# KiCad board copy.kicad_pcb (continued)
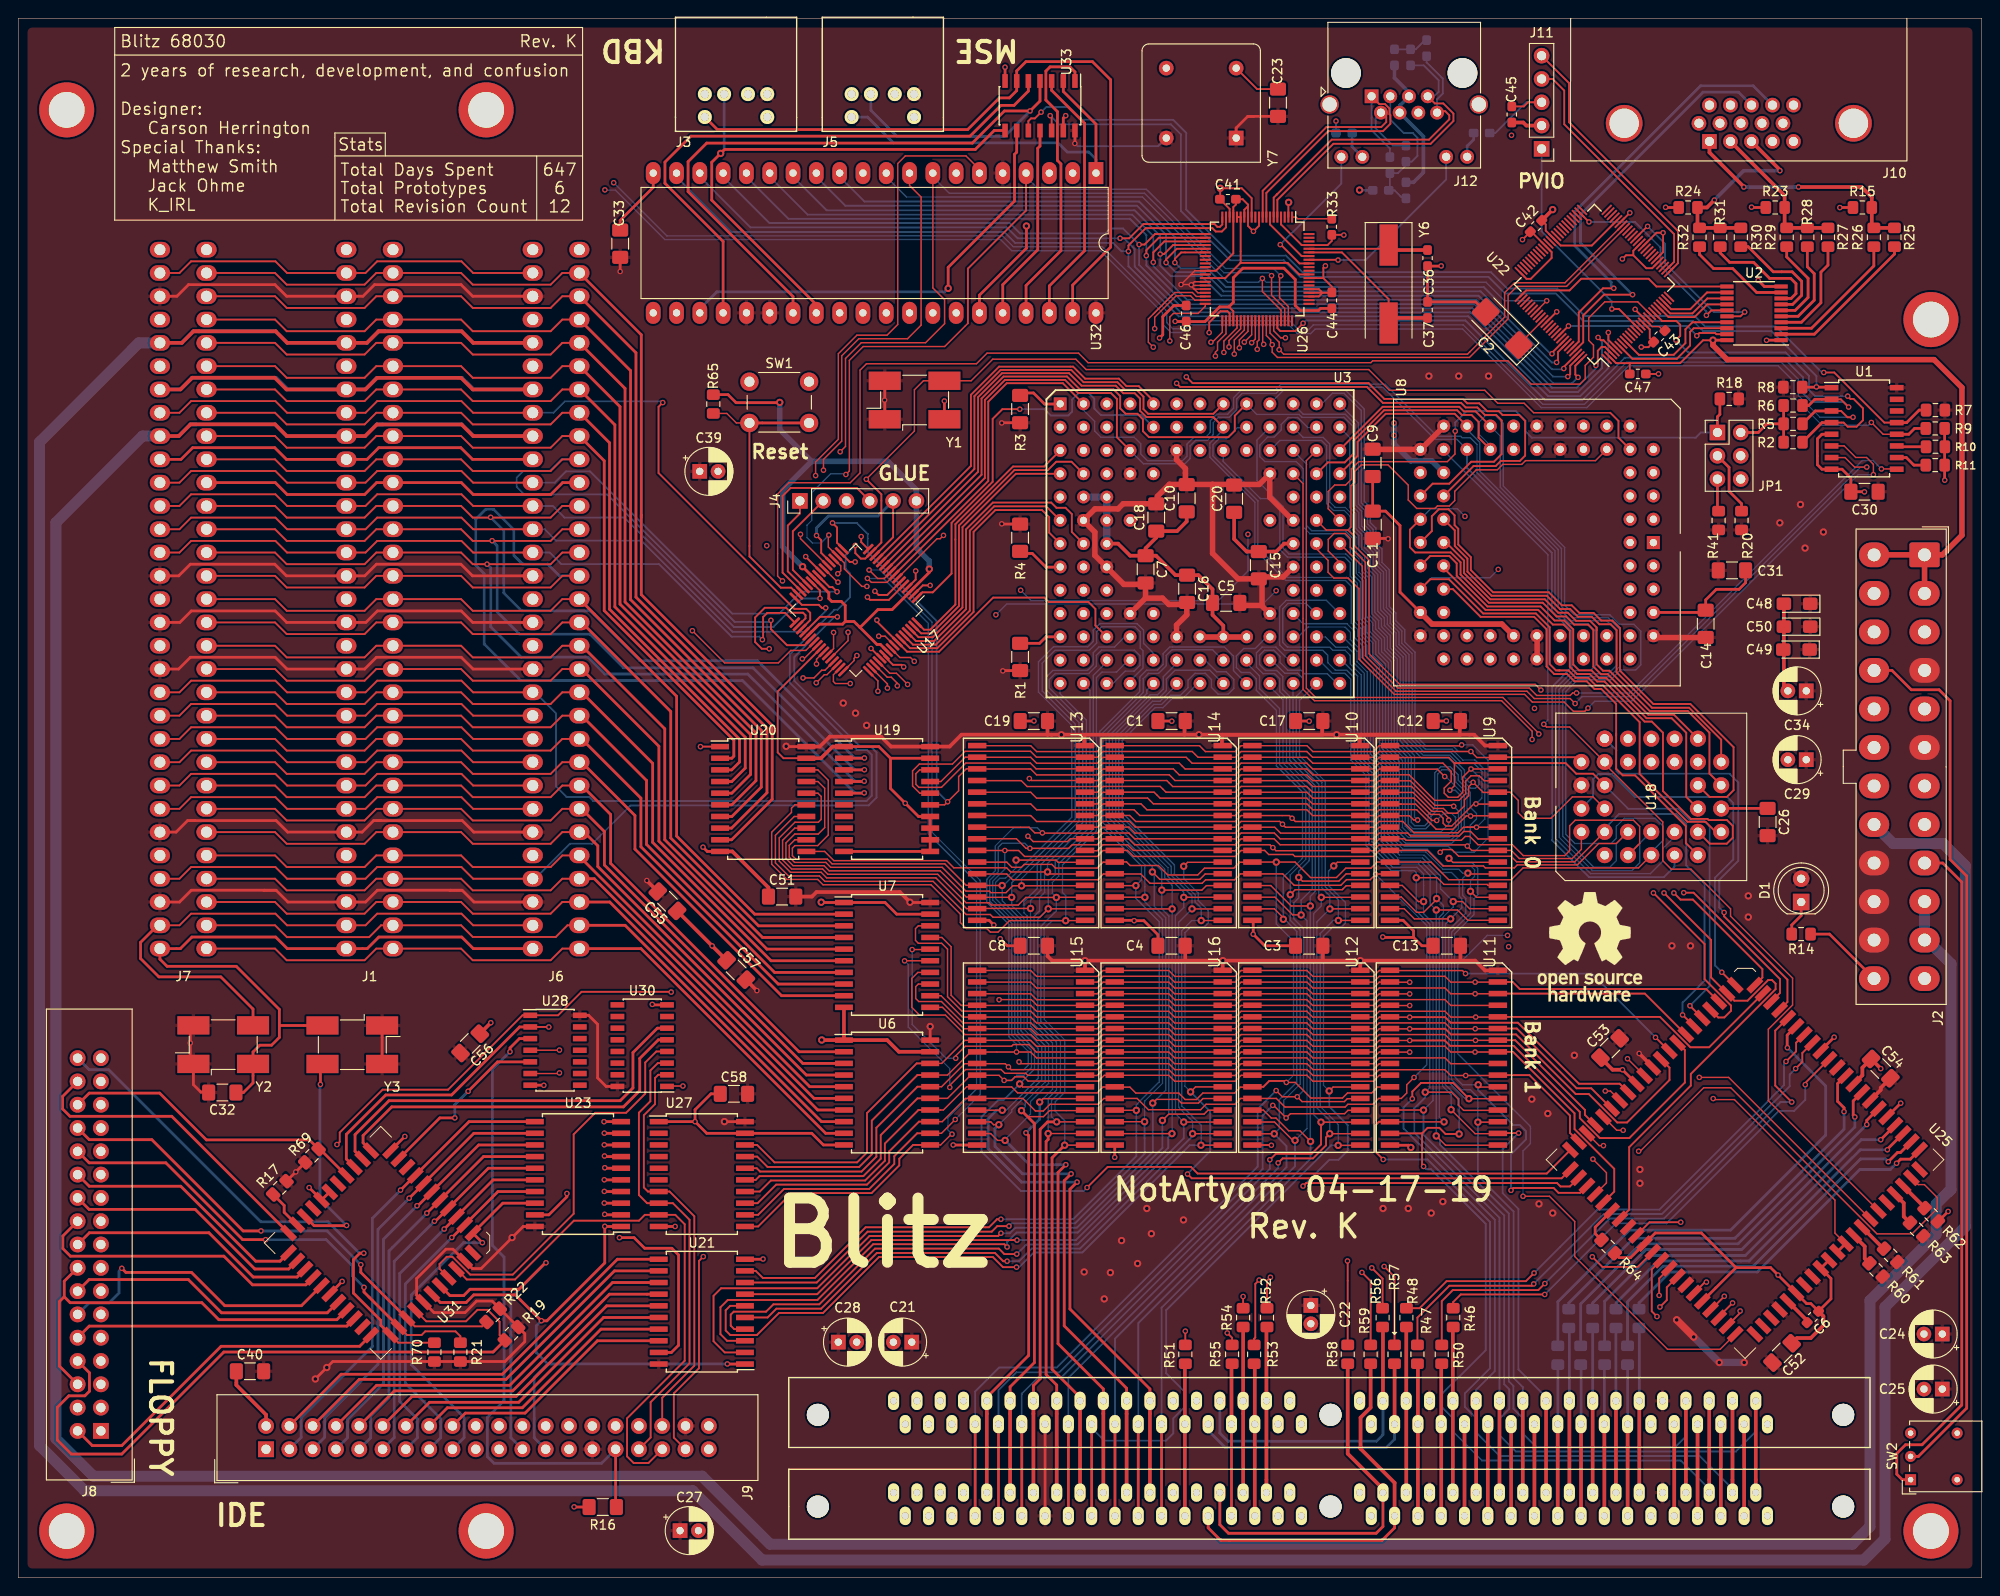
[diagram p0: board, top side]
## Routing (per net, layer and track width the routed paths; a pad name or vN(x,y) marks a point on that pad's centre or on a via; arc(x,y) is an arc through that point) (continued)
+12V: length 481.7
  Top w0.4: J7.B9 17.49,124.46 18.77,125.74 27.98,125.74 29.26,124.46 J1.B9 37.81,124.46 39.07,125.72 48.32,125.72 49.58,124.46 J6.B9
  Top w0.8: 14.77,124.46 15.47,124.46 ; 35.05,124.46 J1.B9
  Bottom w0.4: J6.B9 49.59,124.46 48.32,125.73 39.7,125.73 ; 39.7,125.73 39.1,125.73 ; 39.7,125.73 39.05,125.73 37.78,124.46 J1.B9 29.25,124.46 27.98,125.73 19.35,125.73 ; J7.B9 17.47,124.46 18.74,125.73 19.35,125.73 ; 19.35,125.73 18.75,125.73
  Bottom w0.8: J6.B9 55.4,124.46 ; 15.44,124.41 14.77,124.41 ; 35.76,124.46 35.09,124.46
  Bottom w1.2: J2.10 J2.11 208.07,69.51 210.66,66.93 210.66,42.31 210.43,42.08 210.39,42.08 209.04,40.73 209.04,37.43 201.82,30.21 201.82,5.56 199.91,3.65 81.94,3.65 74.53,11.06 8.19,11.06 4.09,15.16 4.09,115.02 13.53,124.46 J7.B9
-5V: length 510.2
  Top w0.4: J7.B5 17.82,134.62 19.08,135.88 19.71,135.88 ; J6.B5 49.58,134.62 48.32,135.88 39.98,135.88 ; 39.98,135.88 39.3,135.88 ; 39.98,135.88 39.25,135.88 37.99,134.62 J1.B5 29.31,134.62 28.05,135.88 19.71,135.88 ; 19.71,135.88 19.11,135.88
  Bottom w0.4: J6.B5 49.59,134.62 48.32,135.89 39.3,135.89 38.03,134.62 J1.B5 29.27,134.62 28.01,135.88 19.08,135.88 17.82,134.62 J7.B5
  Bottom w0.8: J6.B5 56.46,134.62
  Bottom w1.2: J7.B5 13.13,134.62 2.31,123.8 2.31,14.4 7.24,9.47 73.51,9.47 81.06,1.92 201.16,1.92 203.46,4.22 203.46,29.5 212.22,38.26 212.22,77.62 209.81,80.03 204.36,80.03 J2.20
-12V: length 525.8
  Top w0.4: J7.B7 17.66,129.54 18.94,130.82 27.95,130.82 29.23,129.54 J1.B7 37.83,129.54 39.1,130.81 48.26,130.81 49.53,129.54 J6.B7
  Top w0.8: 35.33,129.54 J1.B7 ; 15.05,129.54 15.47,129.54
  In1.Cu w1.2: J7.B7 13.13,129.54 2.3,118.71 2.3,14.52 7.37,9.45 73.48,9.45 81.02,1.91 199.61,1.91 203.47,5.77 203.47,25.28 212.03,33.84 212.03,49.68 205.01,56.7 205.01,104.72 202.64,107.09
  Bottom w0.4: J6.B7 49.63,129.54 48.36,130.81 47.9,130.81 ; 27.53,130.81 18.95,130.81 17.68,129.54 J7.B7 ; 27.53,130.81 27.99,130.81 ; 27.53,130.81 28.09,130.81 29.36,129.54 J1.B7 37.8,129.54 39.07,130.81 47.9,130.81 ; 47.9,130.81 48.31,130.81
GND: length 741.9
  Top w0.15: U26.31 128.23,142.48 127.83,142.08 ; 128.18,140.47 128.19,140.48 U26.36 ; 128.18,140.47 127.85,140.8 v1(127.85,140.95) ; 128.18,140.47 128.57,140.08 U26.37 ; U26.34 128.18,141.28 v1(127.85,140.95) ; v1(127.85,140.95) 127.82,140.98 v1(126.73,140.98) 127.83,142.08 ; v1(127.85,140.95) 127.92,140.88 U26.35 ; U26.32 127.83,142.08
  Top w0.2: J4.5 95.35,113.43 U17.14 ; U17.54 94.41,100.45 95.33,99.52 96.27,99.52 v1(96.5,99.29) ; U17.21 87.51,111.73 87.51,113.11 v1(87,113.62) ; v1(129.8,135.74) 129.8,136.84 131.03,138.07 131.79,138.07 132.03,137.83 U26.43 ; 134.03,149.69 133.44,150.28 C41.1 132.72,149.71 132.43,149.42 U26.17 132.43,144.38 130.53,142.48 U26.31 ; 134.03,149.69 134.03,149.53 133.63,149.13 U26.14 ; 134.03,149.69 U26.13 134.03,147.37 v1(134.62,146.78) 135.23,147.38 U26.10 ; U26.64 142.15,140.08 ; 142.15,140.08 141.75,139.68 U26.63 ; 142.15,140.08 143.13,140.08 C44.1 143.18,140.75 142.25,141.68 ; 142.15,140.08 141.75,140.48 U26.65 ; v1(144.47,146.38) 144.45,146.4 R33.1 143.16,145.74 142.7,145.28 U26.77 139.88,145.28 137.63,147.53 U26.4 ; 142.25,141.68 U26.68 ; 142.25,141.68 142.25,142.8 v1(142.47,143.02) ; v1(178.78,131.24) 178.77,131.23 C47.1 ; C23.1 135.02,162.29 Y7.4 ; U22.31 179.27,144.52 v1(179.27,146.62) 178.56,146.62 U22.36 ; J11.3 164.55,160.85 164.1,160.4 C45.1 ; U12.16 136.56,47.16 v1(136.58,47.14) ; v1(175.65,148.8) 174.56,147.71 U22.45 ; U22.15 177.82,136.08 177.82,135.13 C43.1 177.68,134.15 176.91,134.15 v1(176.9,134.16) ; U17.41 82.77,96.61 82.77,89.97 83.41,89.33 U20.19 ; U22.75 164.39,141.6 164.85,141.6 167.12,143.88 167.12,144.52 U22.65 164.91,146.73 C42.1 164.81,146.73 v1(163.95,145.88)
  Top w0.3: v1(198.54,149.37) 198.55,149.38 R15.2 ; v1(188.92,149.41) 188.95,149.38 R23.2 ; v2(87.51,73.64) 87.54,73.6 U7.1 94.47,73.6 95.74,72.34 99.39,72.34 ; 35.79,121.92 29.22,121.92 27.95,123.19 19,123.19 17.73,121.92 15.47,121.92 ; 40.87,119.38 39.04,119.38 37.75,118.09 29.3,118.09 28.01,119.38 20.55,119.38 ; 15.47,68.58 17.66,68.58 18.92,69.84 28.05,69.84 29.31,68.58 35.79,68.58 ; J1.B10 38.01,121.92 39.28,123.19 48.23,123.19 49.5,121.92 J6.B10 ; J1.A11 48.29,119.38 49.58,118.09 58.03,118.09 59.32,119.38 J6.A11 ; J1.B31 38.03,68.58 39.29,69.84 48.33,69.84 49.59,68.58 J6.B31 ; 149.51,47.15 151.53,47.15 v2(151.78,46.9) ; R6.1 R2.1 ; v1(174.85,55.38) 176.36,53.86 U25.24 ; v1(190.55,134.9) 190.56,134.92 U2.1 ; U2.10 190.31,140.76 v1(189.65,141.43) ; U33.7 v1(107.55,164.68) ; U27.10 71.59,38.28 v1(71.59,38.29) ; v1(60.58,7.72) 60.6,7.7 R16.1 ; U31.34 v1(35.3,32.3) ; 139.22,93.39 140.69,93.39 v1(140.7,93.38) ; U25.49 183.56,30.13 187.23,33.8 ; 95.06,89.33 U19.19 ; 95.06,89.33 95.06,86.03 v1(96.68,84.42) 98.12,82.98 U19.14 U19.11 U19.10 ; 95.06,89.33 93.79,90.61 U19.1 ; v1(57.28,53.68) 57.26,53.69 U28.7 ; U18.16 185.63,83.87 C26.1 ; v1(209.98,119.65) 209.96,119.66 R11.1 R9.1 ; C46.1 125.95,138.69 124.74,137.48 124.74,135.5 v1(124.39,135.15) ; U10.16 134.6,71.57 v1(134.6,70.15) 135.86,68.89 139.22,68.89 ; v1(197.93,58.93) 196.46,57.46 U25.3 ; 124.22,68.89 124.22,70.09 122.68,71.62 v1(121.62,71.62) 121.59,71.66 U14.16 ; 28.45,60.2 28.45,58.9 27.6,58.05 26.32,58.05 25.58,57.31 Y2.2 25.58,53.94 24.53,52.89 C32.1 ; 28.45,60.2 28.45,61.95 23.75,66.65 16.21,66.65 15.43,67.43 J7.B31 ; 28.45,60.2 Y3.2 ; U30.8 69.16,62.44 v1(69.1,62.5) ; JP1.2 189.65,124.85 190.59,125.79 R5.1 ; U16.16 119.51,45.84 v1(119.5,45.82) ; v1(201.23,118.38) 201.21,118.39 C30.1 199.74,119.88 198.78,120.84 U1.8 196.59,120.84 196.1,121.33 196.1,124.17 196.59,124.66 U1.5 197.19,124.66 ; v1(107.03,69.65) 107.78,68.89 C8.1 ; C33.1 65.6,147.97 69.2,151.57 U32.20 ; R14.1 197.42,70.16 202.32,65.25 ; v1(63.84,49.71) 63.84,49.72 U23.10 ; 152.07,69.8 148.78,69.8 v1(148.72,69.85) ; 152.07,69.8 152.99,68.89 154.22,68.89 ; 152.07,69.8 152.07,70.53 150.94,71.66 U9.16 ; 187.23,33.8 183.44,37.58 178.42,37.58 U25.42 175.74,34.89 174.49,34.89 R64.1 ; 187.23,33.8 191,33.8 v1(191.81,32.99) U25.59 194.92,29.88 195.38,29.88 C6.1 197.57,30.4 197.57,32.61 U25.62 U25.63 ; U31.23 U31.24 33.04,41.18 v1(31.7,42.53) ; U8.63 183.68,105.23 C14.1 183.92,106.59 185.07,107.75 187.55,107.75 188.27,108.47 C31.1 ; R62.1 209.26,38.83 v1(210.35,39.93) ; v1(73.76,49.72) U27.1 ; v1(73.76,49.72) 75.03,48.44 U27.19 86.48,48.44 87.75,47.18 89.99,47.18 ; v1(73.76,49.72) 73.76,51.01 75.5,52.75 C58.1 ; v1(74.63,79.64) 75.09,79.18 U20.10 ; v1(125.72,93.38) 125.71,93.39 124.22,93.39 ; Y1.2 v1(100.94,128.28) ; C9.1 147.62,116.3 147.64,116.28 149.03,116.28 150.6,114.7 150.6,107.45 U8.41 ; v1(205.18,51.72) 203.68,50.23 U25.79 ; C19.1 110.69,93.39 v1(110.7,93.4) ; v1(81.17,34.74) 81.15,34.72 U21.10 ; v1(155.09,143.01) 155.07,142.99 C36.2 C37.2 158.85,139.08 C2.2 ; v1(155.65,93.4) 155.64,93.39 154.22,93.39 ; v1(42.12,48.1) 40.57,46.55 U31.17 ; R24.2 179.57,149.38 v1(179.55,149.4) ; v1(101.9,47.18) 101.91,47.16 U15.16 ; U13.16 105.81,71.66 v1(106.32,71.15)
  Top w0.4: U20.19 87.49,89.33 88.75,90.61 U19.1 ; C20.1 132.52,113.23 133.88,111.86 C15.1 137.11,111.86 137.97,112.73 U3.G11 ; C51.1 81.76,75.24 77.82,79.18 U20.10 ; 124.03,114.03 124.03,113.38 122.87,112.23 122.87,111.42 ; C52.1 193.88,26.13 195.38,26.13 196.75,27.5 196.75,28.51 C6.1 ; C56.1 v1(51.5,60.5) ; U3.G3 119.87,112.73 121.19,111.42 122.87,111.42 ; 122.87,111.42 124.01,111.42 126.13,109.3 C16.1 128.63,109.3 130.16,107.76 C5.1 130.16,104.96 131.34,103.78 U3.L8 ; 75.75,68.75 C57.1 ; 75.75,68.75 C55.1 ; 75.75,68.75 v1(75.62,68.88) ; C53.1 173.77,55.38 v1(174.85,55.38) ; 99.39,57.34 95.97,57.34 94.71,58.6 U6.1 ; C34.2 192.44,97.12 C48.2 ; C10.1 127.35,115.15 126.29,114.09 C18.1 ; 89.99,62.18 U6.1 ; U6.1 87.59,58.6 v2(87.57,58.62) ; v1(203,55.5) C54.1 201,55.6 201,54.77 U25.83 ; J9.2 27,17.76 23.76,21 C40.1
  Top w0.6: 128.78,102.55 133.86,102.55 ; U8.51 161.71,103.96 154.09,103.96 U8.41
  Bottom w0.2: J11.3 164.35,160.85 161,157.5 R34.1 ; R35.1 v1(143.62,158.8)
  Bottom w0.3: J4.5 93.7,115.74 88.29,115.74 87,114.45 v1(87,113.62)
  Bottom w0.4: C35.2 150,163.5 151.58,161.92 J12.5 150.56,160.48 J12.4 153.15,157.13 153.15,153.2 152.07,152.12 C38.2
  Bottom w0.6: U8.30 154.08,121.75 151.79,121.75 149.95,123.59 v1(149.95,124.53) ; 149.95,124.82 v1(149.95,124.53) ; v1(149.95,124.53) v1(149.95,125.88)
  Bottom w0.8: U3.E2 U3.E3 U3.F3 U3.G3
!READ: length 382.2
  Top w0.15: U17.56 96.09,100.32 97.24,100.32 v1(97.66,99.9) ; v1(89.58,122.75) 90.16,123.33 90.16,132.92 91.88,134.64 98.89,134.64 100.96,136.71 100.96,139.33 99.68,140.61 U32.8 ; v1(136.6,141.95) 136.6,139.81 138.03,138.38 U26.58
  Top w0.3: U23.1 63.94,38.28 v1(63.92,38.3) 63.92,34.31 57.61,28 57,28 54.17,30.83 49.64,30.83 48.81,30 46,30 U31.1 ; v1(77.28,23.3) 77.29,23.28 U21.1
  In2.Cu w0.15: v1(89.58,122.75) 89.01,122.18 89.01,116.43 89.89,115.55 89.89,114.77 89.1,113.98 89.1,111.99 88.8,111.69 ; v1(63.92,38.3) 61.2,38.3 59.24,40.26 59.24,48.95 73.02,62.73 73.01,62.74 73.01,102.33 72.54,102.8 72.54,103.49 73.13,104.08 75.57,104.08 83.8,112.31 88.18,112.31 88.8,111.69 ; 88.8,111.69 88.8,110.78 90.26,109.32 90.26,104.74 89.5,103.97 88.62,103.97 88.08,103.44 88.08,102.66 88.57,102.17 91.03,102.17 93.3,99.9 v1(97.66,99.9) 98.04,99.52 98.04,94.93 102.48,90.49 155.23,90.49 158.41,93.67 169.71,93.67 170.1,94.06 179.97,94.06 181.78,92.25 181.78,90.18 U18.24
  Bottom w0.15: U32.8 99.68,152.73 101.47,150.94 122.74,150.94 131.41,142.27 136.28,142.27 v1(136.6,141.95)
  Bottom w0.3: 57.7,23.3 56.23,21.83 56.23,15.25 J9.25 ; 57.7,23.3 v1(77.28,23.3) ; 57.7,23.3 56.45,24.55 56.45,27.45 v1(57.01,28.01)
/A0: length 404
  Top w0.15: U17.8 94.67,108.51 92.98,108.51 v1(92.55,108.94) ; 158.24,133.67 162,137.43 162,140.09 163.08,141.17 168.58,141.17 U22.44 ; 158.24,133.67 158.16,133.59 ; 158.24,133.67 157.96,133.39 137.92,133.39 v1(137.43,133.88) 137.43,134.69 136.43,135.69 U26.54 ; 99.39,47.18 100.53,47.18 101.7,48.35 v1(101.78,48.35) ; v1(87.76,120.74) 87.76,121.92 89.75,123.91 89.75,133.21 91.61,135.07 96.92,135.07 98.4,136.55 98.4,150.52 97.14,151.78 U32.9
  Top w0.2: U3.A2 113.85,130.22 107.73,130.22 105.72,128.21 105.72,119.56 U17.8 ; 99.39,47.18 97.53,47.18 96.03,45.68 96.03,44.95 93,41.93 84.28,41.93 80.63,38.28 U27.11
  In1.Cu w0.15: v1(87.76,120.74) 88.73,120.74 91.54,117.93 91.54,115.01 92.73,113.82 92.73,112.39 91.95,111.61 91.95,109.54 v1(92.55,108.94)
  In2.Cu w0.15: v1(137.43,133.88) 137.43,134.88 133.88,138.43 124.54,138.43 122.78,136.67 122.78,133.72 124.74,131.76 127.45,131.76 127.99,131.22 127.99,130.49 127.01,129.51 117.64,129.51 U3.A2
  Bottom w0.15: v1(92.55,108.94) 94.29,108.94 99.19,104.04 99.19,81.09 104.45,75.82 104.45,53.28 101.32,50.15 101.32,48.8 v1(101.78,48.35) ; U3.A2 116.1,127.28 117.31,126.07 117.31,125.02 118,124.33 121.62,124.33 122.34,123.61 122.34,122.51 123.08,121.77 126.88,121.77 127.38,122.27 127.38,123.58 128.13,124.33 129.39,124.33 129.91,124.85 129.91,126.13 130.63,126.85 131.82,126.85 132.46,127.49 132.46,128.64 133.24,129.42 136.94,129.42 137.64,130.12 148.97,130.12 154.64,124.45 157.2,124.45 157.38,124.27 158.27,124.27 158.99,123.55 158.99,120.45 167.5,111.94 167.5,105.59 169.11,103.98 171.11,103.98 171.88,103.21 171.88,99.42 171.36,98.9 169.51,98.9 167.56,96.95 167.56,80.57 171.38,76.75 177.89,76.75 179.26,78.12 179.26,79.51 180.53,80.78 180.53,81.22
/A1: length 344.7
  Top w0.15: U17.9 94.38,108.93 93.66,108.93 v1(92.73,109.86) ; v1(102.12,49.95) 100.62,48.44 U6.12 ; U22.43 168.75,140.78 163.36,140.78 162.39,139.81 162.39,137.25 158.17,133.03 137.24,133.03 136.67,133.6 v1(136.67,134.42) 136.5,134.59 136.5,134.95 136.03,135.42 U26.53
  Top w0.2: U17.9 105.35,119.9 105.35,128.39 107.54,130.58 114.09,130.58 115.52,129.15 119.09,129.15 119.74,128.5 119.74,124.33 U3.C4 ; U6.12 97.97,48.44 95.47,45.95 95.47,45.1 92.75,42.38 83.45,42.38 80.63,39.56 U27.12
  In2.Cu w0.15: v1(136.67,134.42) 136.51,134.58 136.51,135.31 133.75,138.07 124.69,138.07 123.13,136.51 123.13,133.86 124.86,132.13 127.62,132.13 128.39,131.36 128.39,130.35 127.16,129.12 120.75,129.12 119.95,128.32 119.95,124.12 U3.C4
  Bottom w0.15: U3.C4 122.64,121.43 127.14,121.43 127.72,122.01 127.72,123.39 128.32,123.99 129.61,123.99 130.23,124.61 130.23,125.93 130.82,126.52 132,126.52 132.79,127.31 132.79,128.51 133.39,129.11 137.09,129.11 137.77,129.79 148.72,129.79 154.41,124.1 156.81,124.1 U8.25 ; v1(92.73,109.86) 93.92,109.86 99.59,104.19 99.59,81.27 104.85,76.01 104.85,52.68 v1(102.12,49.95)
  Bottom w0.2: U8.25 157.9,120.99 167.15,111.74 167.15,105.37 169.32,103.2 169.32,99.26 167.19,97.13 167.19,80.39 171.21,76.37 179.37,76.37 180.53,77.53 U18.11
/A2: length 329
  Top w0.15: 134.79,76.72 133.21,76.72 132.56,76.08 129.41,76.08 129.03,75.7 123.35,75.7 122.34,76.72 118.26,76.72 117.64,76.09 108.37,76.09 107.74,76.72 104.8,76.72 ; 149.79,76.72 147.97,76.72 v1(147.94,76.68) 147.36,76.1 144.77,76.1 144.15,75.48 139.06,75.48 137.82,76.72 134.66,76.72 ; U26.52 135.63,134.57 v1(135.74,134.46) ; v1(152.13,54.53) 151.33,53.73 151.33,52.83 150.75,52.25 U11.12 148.28,52.25 147.64,51.61 144.92,51.61 144.62,51.31 138.06,51.31 137.12,52.25 U12.12 133.24,52.25 132.6,51.61 129.46,51.61 128.87,51.02 123.17,51.02 121.94,52.25 U16.12 118.31,52.25 117.68,51.61 112.45,51.61 111.72,50.88 110.86,50.88 109.5,52.25 U15.12 103.24,52.25 100.71,49.72 99.39,49.72
  Top w0.2: U8.24 156.56,126.89 149.04,126.89 145.98,123.83 145.98,122.29 U3.D13 ; 99.39,49.72 98.16,49.72 94.93,46.47 94.93,45.28 92.5,42.85 82.6,42.85 80.57,40.82 U27.13 ; U25.9 192.02,63.75 192.02,65.25 182.6,74.68 v1(181.52,74.68)
  In1.Cu w0.15: v1(135.74,134.46) 135.74,132.78 140,128.52 140,122.52 140.94,121.58 142.81,121.58 U3.D13
  In2.Cu w0.15: U18.10 176.55,82.75 174.87,82.75 174.19,82.07 174.19,78.07 173.42,77.3 172.2,77.3 171.61,77.89 157.16,77.89 156.5,77.23 149.63,77.23 149.08,76.68 v1(147.94,76.68)
  In2.Cu w0.2: v1(181.52,74.68) 179.25,76.95 179.25,80.05 U18.10
  Bottom w0.15: U18.10 176.73,80.05 176.73,77.94 175.89,77.1 171.55,77.1 167.94,80.71 167.94,96.84 169.65,98.55 173.29,98.55 174.23,99.49 174.23,103.22 173.14,104.31 169.29,104.31 167.84,105.76 167.84,112.09 159.3,120.63 159.3,123.78 157.9,125.18 U8.24 ; v1(147.94,76.68) 153.51,71.11 153.51,55.91 v1(152.13,54.53)
/A3: length 334.2
  Top w0.15: 134.74,78 133.13,78 132.49,77.35 129.29,77.35 128.55,76.61 125.28,76.61 124.25,77.64 121.19,77.64 120.79,78.03 119.49,78.03 ; U18.9 176.6,77.38 164.01,77.38 162.72,76.09 155.91,76.09 153.99,78.01 149.59,78.01 ; 134.89,78.01 134.9,78.01 139.16,78.01 140.84,76.33 143.67,76.33 144.69,77.35 147.43,77.35 148.09,78.01 149.7,78.01 ; 134.81,78.01 134.79,78 ; 104.51,53.5 108.28,53.5 108.92,52.85 117.59,52.85 118.24,53.5 119.84,53.5 ; 119.82,53.47 121.16,53.47 121.81,52.83 126.48,52.83 127.18,52.13 128.41,52.13 129.11,52.83 132.57,52.83 133.22,53.47 134.82,53.47 ; 149.76,53.49 148.16,53.49 147.51,52.84 144.88,52.84 144.33,52.29 140.89,52.29 139.19,53.99 v1(138.21,53.99) ; 104.84,78 107.74,78 108.3,77.44 109.32,77.44 109.64,77.76 112.65,77.76 113.04,77.36 117.59,77.36 118.24,78 119.84,78 ; U26.51 135.23,134.94 135.04,134.75 v1(135.04,133.92) ; U15.11 103.36,53.51 100.83,50.99 U6.14
  Top w0.2: U8.23 159.16,124.29 159.16,126 158.4,126.76 157.34,126.76 156.83,127.27 148.86,127.27 145.54,123.95 145.54,122.55 144.58,121.59 142.74,121.59 U3.D12 ; v1(180.45,74.65) 181.18,73.93 182.52,73.93 190.1,66.35 190.1,65.42 U25.11 ; U6.14 98.11,50.99 94.45,47.32 94.45,45.45 92.3,43.3 82.03,43.3 80.82,42.09 U27.14 ; U12.11 135.71,53.51 136.34,54.15 138.05,54.15 v1(138.21,53.99)
  In1.Cu w0.15: v1(135.04,133.92) 135.04,132.79 137.85,129.98 137.85,122.18 138.42,121.61 140.24,121.61 U3.D12
  In2.Cu w0.2: v1(180.45,74.65) 177.99,77.11 U18.9
  Bottom w0.15: v2(137.11,78.01) 137.11,71.28 139,69.39 139,54.78 v1(138.21,53.99) ; 177.89,79 179.27,80.38 179.27,81.93 178.42,82.78 175.05,82.78 174.18,81.91 174.18,80.61 173.61,80.04 169.66,80.04 168.67,81.03 168.67,96.6 169.96,97.89 173.58,97.89 174.65,98.96 176.29,98.96 176.85,99.52 176.85,103.18 176.09,103.94 174.51,103.94 173.48,104.97 169.6,104.97 168.54,106.03 168.54,112.33 161.86,119.01 161.86,125.83 160.98,126.71 159.95,126.71 159.23,125.99 159.23,124.63 160.44,123.42 U8.23
/A4: length 358.4
  Top w0.15: 104.51,54.76 106.9,54.76 v1(107.45,54.21) 108.24,54.21 108.63,54.6 109.6,54.6 110.06,54.14 117.74,54.14 118.36,54.76 119.51,54.76 ; 119.89,54.76 125.4,54.76 126.04,54.12 132.64,54.12 133.28,54.76 134.89,54.76 ; 134.95,54.76 140.46,54.76 141.1,54.12 147.7,54.12 148.34,54.76 149.95,54.76 ; 149.59,79.28 153.59,79.28 155.29,77.59 159.69,77.59 159.9,77.38 163.06,77.38 163.39,77.71 169.93,77.71 172.26,80.04 174.18,80.04 U18.8 ; U14.10 120.9,79.28 121.55,78.63 132.64,78.63 133.28,79.28 134.89,79.28 ; 119.84,79.28 118.24,79.28 117.59,78.63 109.68,78.63 109.03,79.28 v1(107.53,79.28) 104.84,79.28 ; 149.95,79.28 148.34,79.28 147.7,78.63 139.14,78.63 138.93,78.84 136.29,78.84 135.84,79.28 U10.10 ; U6.15 101.28,52.25 103.81,54.78 U15.10 ; U26.50 134.83,135.04 v1(134.43,134.64)
  Top w0.2: U8.22 158.84,127.15 157.56,127.15 157.06,127.65 148.71,127.65 144.04,122.98 144.04,122.77 ; v1(179.38,74.65) 184.51,69.52 184.51,65.43 U25.13 187.04,62.9 188.48,62.9 190.73,65.15 191.15,65.15 191.54,64.76 191.54,64.16 182.3,54.92 182.3,53.65 175.58,46.93 175.58,40.12 U25.39 ; U6.15 98,52.25 94,48.25 94,45.68 92.1,43.78 80.78,43.78 80.38,43.37 U27.15
  In2.Cu w0.15: U3.C13 145.03,122.89 146.3,124.16 146.3,128.96 143.09,132.17 135.62,132.17 134.43,133.36 v1(134.43,134.64)
  In2.Cu w0.2: v1(179.38,74.65) 176.7,77.32 176.7,80.06 U18.8
  Bottom w0.15: v1(107.45,54.21) 108.29,54.21 108.85,54.77 109.58,54.77 110.42,55.61 110.42,57.5 108.61,59.31 108.61,71.47 106.2,73.88 106.2,75.91 107.53,77.24 v1(107.53,79.28) ; U18.8 174.18,80.04 174.18,78.16 173.49,77.47 171.71,77.47 168.33,80.85 168.33,96.73 169.82,98.22 173.43,98.22 174.57,99.36 174.57,103.36 173.29,104.64 169.43,104.64 168.2,105.87 168.2,112.2 161.52,118.88 161.52,124.47 U8.22
/A5: length 321.8
  Top w0.15: v1(165.73,91.98) 165.73,92.04 161.81,95.96 141.41,95.96 140.39,96.98 140.39,121.78 U3.C12 ; 134.89,80.54 133.28,80.54 132.64,79.9 121.68,79.9 121.03,80.56 U14.9 ; U6.16 100.63,53.53 103.15,56.03 107.56,56.03 v1(107.92,55.68) 108.21,55.39 117.59,55.39 118.24,56.03 119.84,56.03 ; 104.51,80.56 108.79,80.56 109.84,79.51 v1(110.26,79.51) 114.48,79.51 114.87,79.9 117.59,79.9 118.24,80.54 119.84,80.54 ; 149.95,56.03 148.34,56.03 147.7,55.39 141.1,55.39 140.46,56.03 134.95,56.03 ; U10.9 136.88,80.56 137.53,79.9 147.7,79.9 148.34,80.54 149.95,80.54 ; 119.89,56.03 125.4,56.03 126.04,55.39 132.64,55.39 133.28,56.03 134.89,56.03 ; 149.59,80.56 151.09,80.56 151.26,80.39 157.29,80.39 157.71,80.81 158.2,80.81 159.1,79.91 162.85,79.91 164.04,78.72 168.55,78.72 169.09,79.26 169.09,81.97 169.7,82.58 176.04,82.58 176.72,81.9 176.72,80.04 U18.7 176.6,79.92 ; v1(133.63,134.7) 134.43,135.5 U26.49
  Top w0.2: v1(178.23,74.65) 183.8,69.07 183.8,65.25 186.68,62.38 186.68,61.8 185.95,61.07 185.28,61.07 U25.15 ; U6.16 98,53.53 93.53,49.05 93.53,45.9 91.9,44.28 80.85,44.28 80.49,44.63 U27.16
  In1.Cu w0.15: U18.7 174.18,80.04 174.18,81.93 173.53,82.58 172.26,82.58 171.64,83.2 171.64,84.5 171.01,85.13 167.76,85.13 165.73,87.16 v1(165.73,91.98)
  In2.Cu w0.15: v1(133.63,134.7) 133.63,134.55 133.82,134.36 133.82,133.45 135.47,131.8 142.93,131.8 145.91,128.82 145.91,124.86 144.98,123.93 142.54,123.93 U3.C12
  In2.Cu w0.2: U18.7 175.45,77.43 v1(178.23,74.65)
  Bottom w0.15: v1(107.92,55.68) 108.22,55.38 109.58,55.38 110.07,55.87 110.07,57.37 108.28,59.16 108.28,71.35 105.88,73.75 105.88,76.03 106.8,76.95 106.8,79.63 107.23,80.06 109.71,80.06 v1(110.26,79.51)
/A6: length 326
  Top w0.15: 134.95,81.81 136.94,81.81 137.59,81.17 147.7,81.17 148.34,81.81 149.95,81.81 ; 134.95,57.31 140.46,57.31 141.1,56.66 147.7,56.66 148.34,57.31 149.95,57.31 ; 119.84,57.31 118.24,57.31 117.59,56.66 110.99,56.66 110.34,57.31 104.84,57.31 ; v1(165,91.38) 165,92.28 161.67,95.61 141.27,95.61 140.03,96.85 140.03,119.28 U3.D11 ; 134.89,81.81 133.28,81.81 132.64,81.17 121.71,81.17 121.06,81.82 U14.8 ; 149.8,57.29 v1(151.66,57.29) ; 104.84,81.81 110.18,81.81 110.79,81.2 v1(111.62,81.2) 111.65,81.17 117.59,81.17 118.24,81.81 119.84,81.81 ; 134.89,57.31 133.28,57.31 132.64,56.66 126.04,56.66 125.4,57.31 119.89,57.31 ; v1(154.98,79.08) 155.28,79.38 156.26,79.38 156.99,78.65 162.7,78.65 163.31,78.04 169.64,78.04 U18.6 ; U15.8 103.81,57.32 101.28,54.79 U6.17 ; U26.48 134.03,135.88 133.09,134.94 v1(133.09,134.08)
  Top w0.2: U6.17 98,54.79 93.03,49.82 93.03,46.15 91.65,44.78 81.66,44.78 80.53,45.91 U27.17 ; U25.17 181.41,61.35 v1(181.4,61.35)
  In1.Cu w0.15: 172.47,81.31 U18.6 171.64,82.58 169.67,82.58 165,87.25 v1(165,91.38) ; v1(154.98,79.08) 153.22,79.08 151.54,77.4 151.54,69.58 152.97,68.15 152.97,66.35 153.66,65.66 153.66,59.3 v1(151.66,57.29) ; U3.D11 137.5,121.81 137.5,129.67 v1(133.09,134.08)
  Bottom w0.15: v1(108.8,57.31) 108.8,58.14 107.97,58.97 107.97,71.23 105.57,73.63 105.57,76.15 106.49,77.07 106.49,79.77 108.46,81.74 111.08,81.74 v1(111.62,81.2)
  Bottom w0.2: 172.91,81.61 U18.6 172.91,81.69 174.48,83.25 180.7,83.25 181.8,82.15 181.8,77.65 183.8,75.65 183.8,65.1 181.4,62.7 v1(181.4,61.35)
/A7: length 300.3
  Top w0.15: 149.79,83.06 151.63,83.06 152.1,82.6 v1(152.52,82.6) ; 149.95,58.57 148.34,58.57 147.7,57.93 141.1,57.93 140.46,58.57 134.95,58.57 ; U14.7 121.13,83.09 121.79,82.44 132.64,82.44 133.28,83.08 134.89,83.08 ; 149.95,83.08 148.34,83.08 147.7,82.44 139.19,82.44 v1(138.84,82.79) 138.54,83.08 134.95,83.08 ; 119.89,58.57 125.4,58.57 126.04,57.93 132.64,57.93 133.28,58.57 134.89,58.57 ; 119.84,58.57 118.24,58.57 117.59,57.93 110.99,57.93 110.34,58.57 104.84,58.57 ; U6.18 100.65,56.06 103.16,58.57 104.51,58.57 ; 119.84,83.08 118.24,83.08 117.59,82.44 110.99,82.44 110.34,83.08 104.84,83.08 ; 149.8,58.56 v1(151.66,58.56) ; U26.47 133.63,136.02 132.54,134.93 v1(132.54,133.4)
  Top w0.2: U27.18 80.53,47.18 82.43,45.28 91.43,45.28 92.5,46.35 92.5,50.65 97.91,56.06 U6.18 ; v1(151.66,58.56) 155.49,58.56 156.07,57.97 163,57.97 170.2,50.78 170.2,50.1 172.38,47.93 175.6,47.93 181.65,53.97 181.65,57.52 U25.19
  In1.Cu w0.15: v1(151.66,58.56) 153.32,60.23 153.32,65.55 152.66,66.21 152.66,68.03 151.23,69.46 151.23,81.73 152.1,82.6 v1(152.52,82.6)
  In2.Cu w0.15: U3.B13 145.53,126.92 145.53,128.64 142.73,131.44 135.22,131.44 133.56,133.1 132.84,133.1 v1(132.54,133.4) ; v1(152.52,82.6) 152.52,81.84 154.35,80.01 156.01,80.01 157.21,78.81 160.55,78.81 166.87,85.13 170.98,85.13 171.64,84.47 171.64,80.04 U18.5
  Bottom w0.15: 144.02,125.41 145.13,124.3 145.13,116.65 145.78,116 145.78,114.39 146.41,113.76 146.41,113.62 146.42,113.61 146.42,112.16 147.08,111.5 147.08,110.01 147.85,109.24 147.85,105.23 148.58,104.5 148.58,103.68 149.54,102.72 149.54,101.35 150.63,100.26 150.63,91.19 152.18,89.64 152.18,82.94 v1(152.52,82.6)
/A8: length 294.5
  Top w0.15: 103.63,59.84 104.51,59.84 103.06,59.84 100.74,62.18 99.39,62.18 ; 150.74,84.33 149.79,84.33 152.31,84.33 154.09,82.55 v1(154.6,82.55) ; 134.95,59.84 140.46,59.84 141.1,59.2 147.7,59.2 148.34,59.84 149.95,59.84 ; 134.95,84.36 140.46,84.36 141.1,83.71 147.7,83.71 148.34,84.36 149.95,84.36 ; 134.89,84.36 133.28,84.36 132.64,83.71 123.02,83.71 122.37,84.36 U14.6 ; 119.84,59.84 118.24,59.84 117.59,59.2 110.99,59.2 110.34,59.84 104.84,59.84 ; 104.84,84.36 110.34,84.36 110.99,83.71 117.59,83.71 118.24,84.36 119.84,84.36 ; 134.89,59.84 133.28,59.84 132.64,59.2 126.04,59.2 125.4,59.84 119.89,59.84 ; 149.8,59.84 v1(151.66,59.84) ; v1(131.96,134.18) 131.96,134.88 133.23,136.15 U26.46
  Top w0.2: v1(151.66,59.84) 155.54,59.84 156.15,59.22 163.25,59.22 169.75,52.72 171.18,52.72 174.27,49.62 175.35,49.62 179.98,54.25 179.98,55.6 U25.21
  In1.Cu w0.15: v1(151.66,59.84) 152.99,61.17 152.99,65.44 152.35,66.08 152.35,67.88 150.91,69.32 150.91,81.96 152.27,83.32 153.83,83.32 v1(154.6,82.55)
  In2.Cu w0.15: v1(154.6,82.55) 155.4,83.35 156.62,83.35 158.41,85.14 163.94,85.14 169.01,90.21 174.19,90.21 U18.27 ; U3.B12 142.49,125.43 143.74,126.68 144.57,126.68 145.15,127.26 145.15,128.47 142.56,131.06 135.04,131.06 133.5,132.6 132.42,132.6 131.96,133.06 v1(131.96,134.18)
  Bottom w0.15: v1(154.6,82.55) 155.38,83.33 156.22,83.33 156.66,82.89 156.66,81.81 155.85,81 151.65,81 150.86,81.79 150.86,89.11 149.34,90.63 149.34,99.76 148.27,100.83 148.27,102.18 147.32,103.13 147.32,103.95 146.61,104.66 146.61,108.69 145.82,109.48 145.82,110.95 145.16,111.61 145.16,113.16 144.51,113.81 140.79,113.81 140.06,114.54 140.06,120.9 139.28,121.68 135.85,121.68 135.32,122.21 135.32,123.48 136.19,124.35 136.88,124.35 137.65,125.12 137.65,125.72 138.41,126.48 139.46,126.48 140.55,125.39 141.5,125.39
/A9: length 298.1
  Top w0.15: 119.51,85.64 123.79,85.64 124.45,84.98 132.64,84.98 133.28,85.62 134.89,85.62 ; 134.95,61.12 140.46,61.12 141.1,60.47 147.7,60.47 148.34,61.12 149.95,61.12 ; 134.89,61.12 133.28,61.12 132.64,60.47 126.04,60.47 125.4,61.12 119.89,61.12 ; 119.84,61.12 118.24,61.12 117.59,60.47 110.99,60.47 110.34,61.12 104.84,61.12 ; U7.12 100.57,63.44 102.91,61.12 104.51,61.12 ; 104.84,85.62 110.34,85.62 110.99,84.98 117.59,84.98 118.24,85.62 119.84,85.62 ; 134.95,85.62 140.46,85.62 141.1,84.98 147.7,84.98 148.34,85.62 149.95,85.62 ; 149.79,85.61 152.03,85.61 154.09,83.54 155.18,83.54 155.91,82.81 v1(155.91,82.59) ; 149.8,61.1 v1(151.66,61.1) ; U26.45 132.83,136.24 131.4,134.81 v1(131.4,133.58)